# Altium PCB ЕРКФ.758725.093Д11_и1_МВВ.PcbDoc (part 2 of 3)
Units mm, origin at the board's own origin, x right, y up, seen from the top; angles counter-clockwise.
Board outline 118.8 x 103.1 mm, 2 copper layers (Top Layer, Bottom Layer), stack 1.571 mm thick; 306 components, 215 nets, 983 pads, 379 vias.
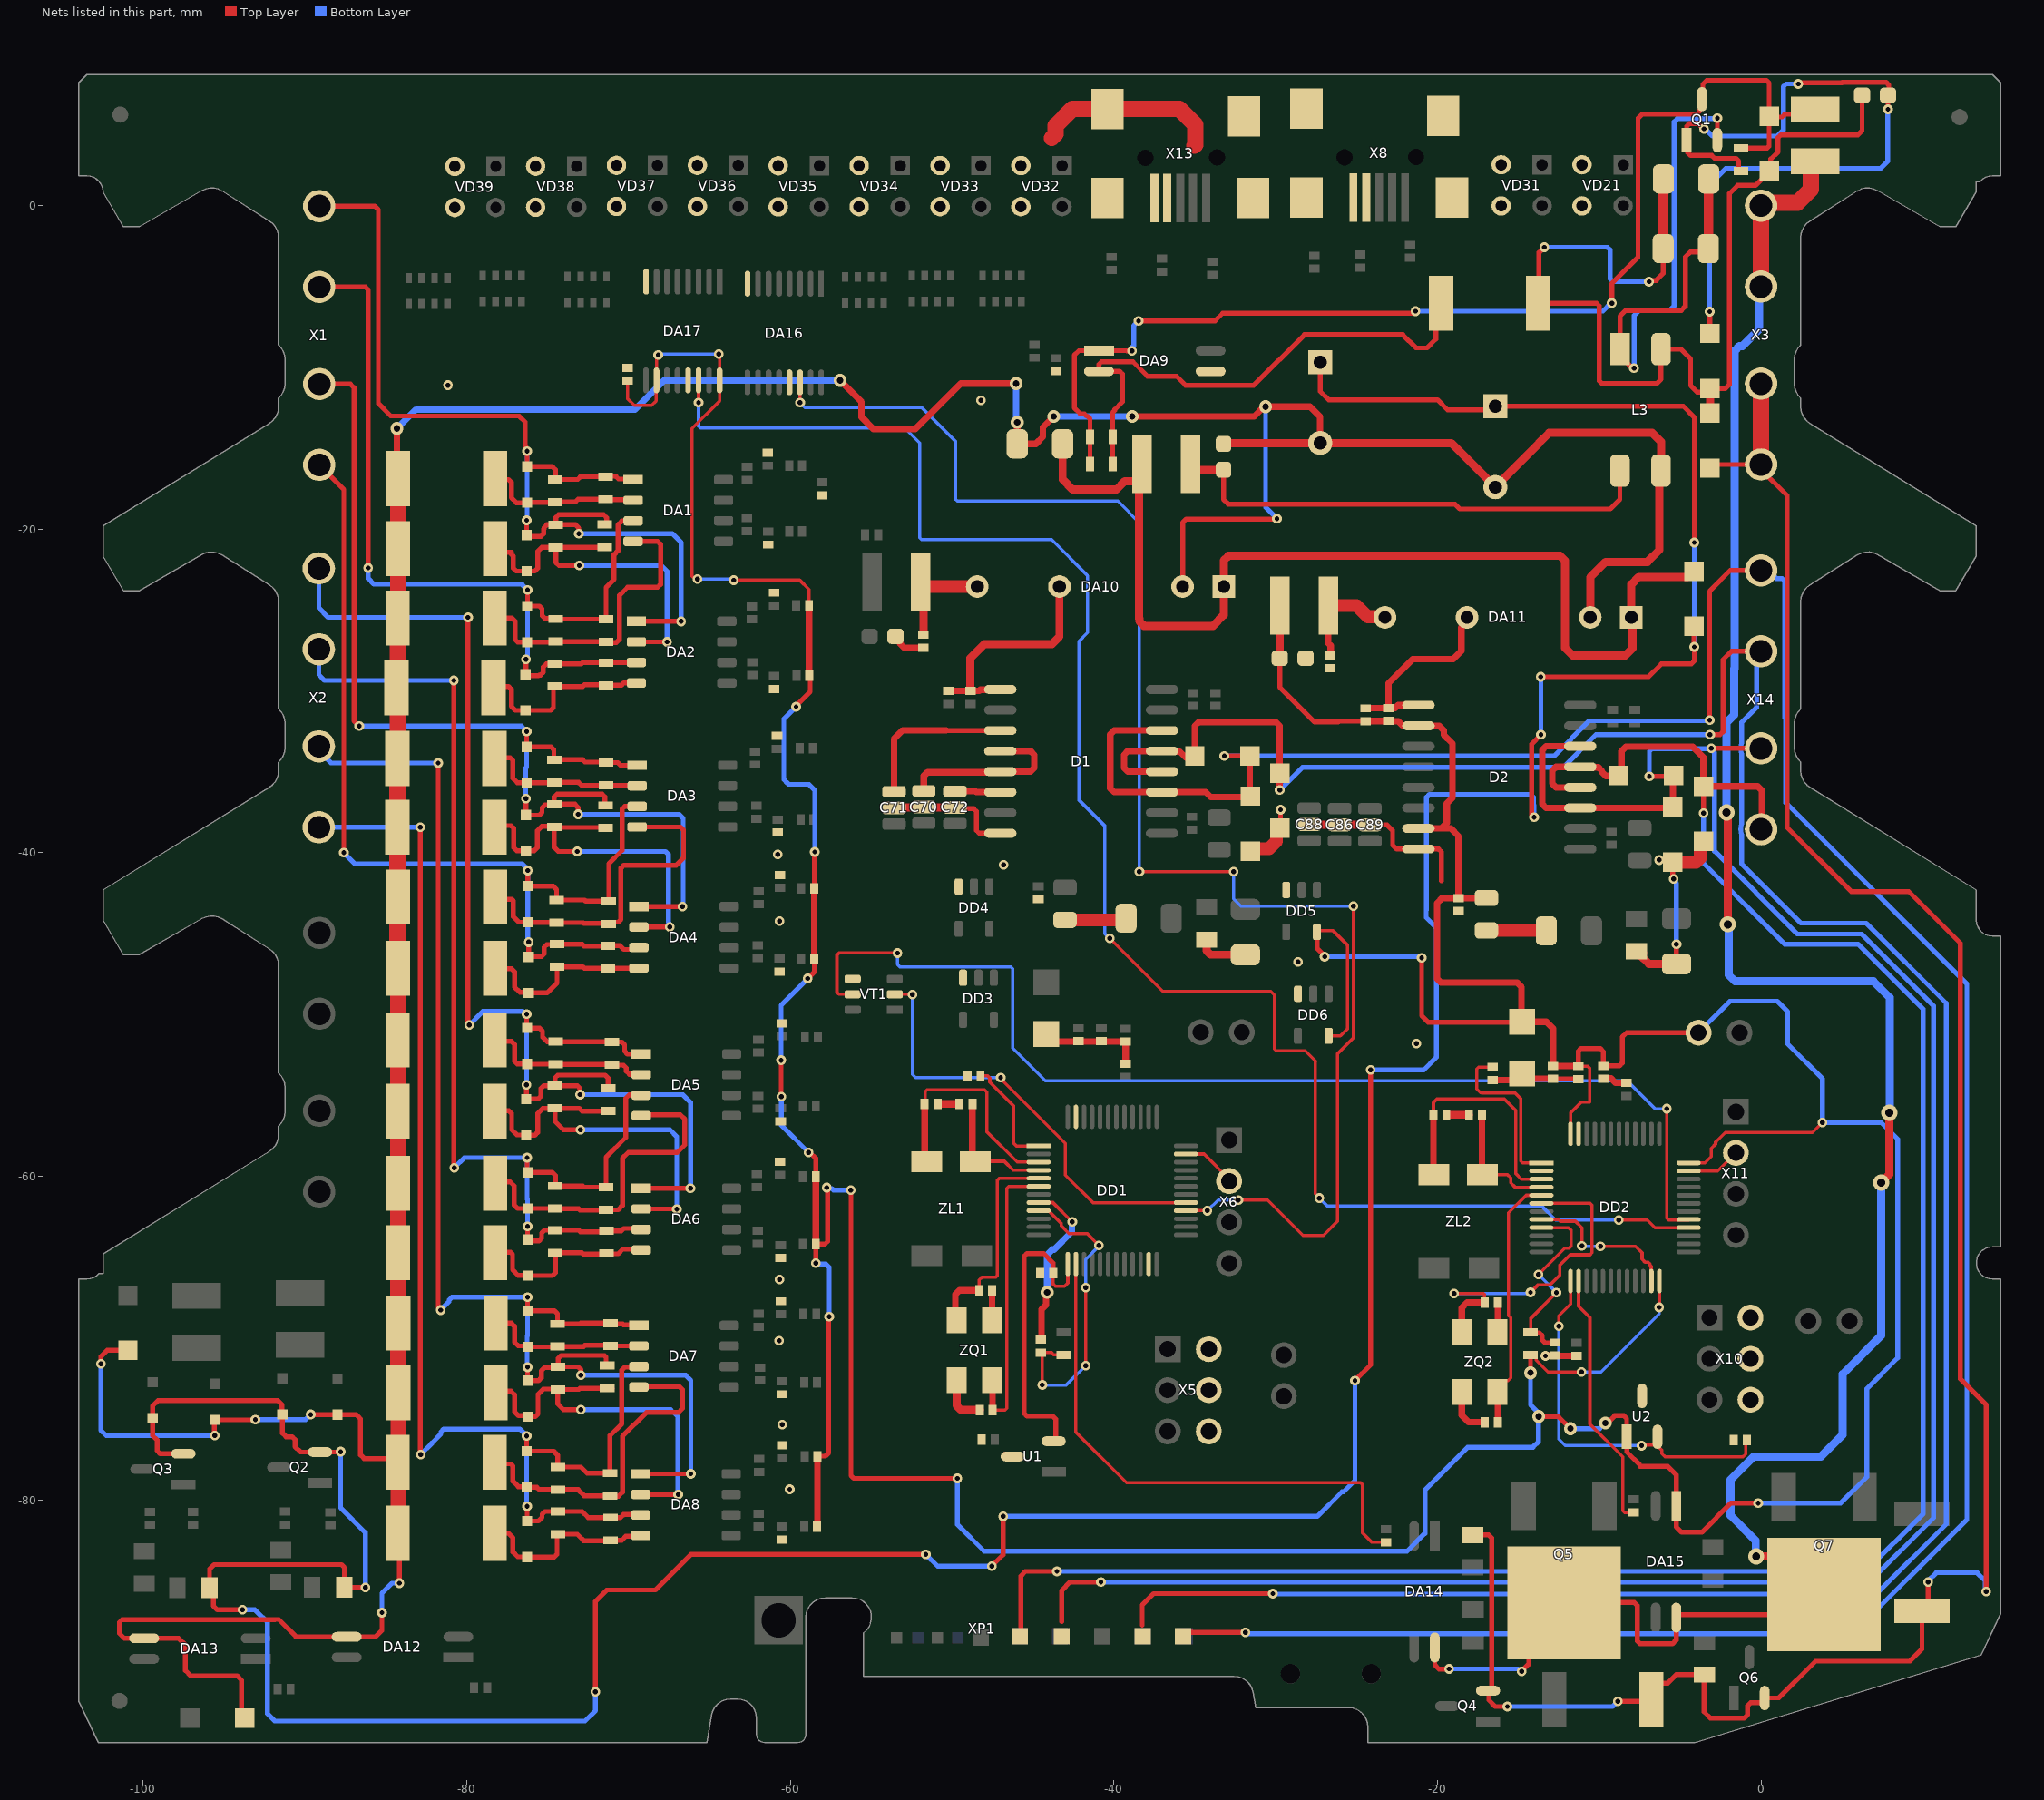
[diagram p2: the nets of this part, all layers, seen from the top]

## Via types
v1: diameter 0.6, hole 0.3, Top Layer to Bottom Layer, 361 vias
v2: diameter 0.8, hole 0.4, Top Layer to Bottom Layer, 12 vias
v3: diameter 1, hole 0.5, Top Layer to Bottom Layer, 5 vias
v4: diameter 0.4, hole 0.2, Top Layer to Bottom Layer, 1 vias

## Nets (pads, with @x,y where several pads share a name; then routed paths per layer and width w, separated by ;. In a path a pad name is that pad's centre, name@x,y a point inside that pad or via, vN(x,y) a via of type N, cw(c..) or ccw(c..) an arc to the next point about the centre after c; other vN are vias at no path point) (continued)
3v_2: C52.2 C54.1 C59.2 C65.2 C69.2 C85.2 C90.1 C91.2 C92.2 C93.2 D2.2 D2.7 DA15.1 DA17.10 DA17.16 DD2.24 DD2.36 DD2.48 DD5.5 DD6.5 L4.1 L6.2 R29.2 R30.2 R31.2 R32.2 R61.2 R62.2 R63.2 R64.2 U2.1 X9.1 | length 358.9
  Top Layer w0.2: C85.2@-70.075,-10.825 -70.075,-11.925 -69.65,-12.35 -68.575,-12.35 -68.3,-12.075 -68.3,-10.825 DA17.10@-68.275,-10.8 -68.275,-9.325 v1(-68.175,-9.225) ; v1(-65.738,-23.087) -65.888,-23.087 -66.075,-22.9 -66.075,-13.775 -64.375,-12.075 DA17.16@-64.375,-10.8 -64.375,-9.279 -64.425,-9.229 v1(-64.425,-9.175) ; v1@-63.525,-23.175 v1(-63.5,-23.15) -59.425,-23.15 -58.85,-23.725 R29.2@-58.85,-24.7 ; DD5.5@-27.475,-44.825 -26.45,-44.825 -25.575,-45.7 -25.575,-50.9 -26,-51.325 DD6.5@-26.575,-51.325 ; D2.7@-21.175,-38.5 D2.7@-21.029,-38.5 ; L4.1@-14.25,-71.05 -14.05,-71.05 -13.9,-71.2 -13.9,-71.375 -13.175,-72.1 v1(-11.1,-72.1) ; DD2.48@-11.775,-57.375 -11.775,-56.075 -11.125,-55.425 -10.625,-55.425 -10.6,-55.4 -10.6,-53.317 -10.717,-53.2 C59.2@-11.3,-53.2 ; U2.1@-8.3,-76.1 U2.1@-8.292,-76.108 ; -7.491,-77.925 -7.491,-77.834 ; v1(-6.3,-68.1) -6.275,-68.075 DD2.24@-6.275,-66.475 ; DD2.36@-4.475,-59.175 -3.475,-59.175 -3.075,-58.775 -3.075,-58.275 -2.808,-58.008 -2.808,-57.892 -2.691,-57.775 -2.675,-57.775 -2.2,-57.3 3.175,-57.3 v1(3.8,-56.675)
  Top Layer w0.3: v1(-60.575,-52.825) -60.575,-55.05 v1(-60.55,-55.075) ; v1(-59.65,-30.975) -59.65,-30.925 -58.775,-30.05 -58.775,-29.1 R30.2@-58.825,-29.05 ; v1(-58.925,-47.775) -58.525,-47.375 R32.2@-58.525,-46.55 ; v1(-58.875,-58.525) -58.8,-58.525 -58.425,-58.9 R61.2@-58.425,-60.025 ; R31.2@-58.525,-42.2 -58.525,-39.975 v1(-58.5,-39.95) ; v1(-58.425,-65.375) R62.2@-58.425,-64.2 -57.876,-64.2 -57.7,-64.024 v1@-57.7,-60.8 ; R63.2@-58.325,-77.325 -58.3,-77.3 -57.875,-77.3 -57.85,-77.275 -57.801,-77.275 -57.625,-77.099 -57.625,-68.7 v1(-57.6,-68.675) ; v1(-56.275,-60.85) -56.25,-60.875 -56.25,-78.499 -56.074,-78.675 v1(-49.675,-78.675) ; C69.2@-29.75,-27.975 -29.75,-29.775 -27.599,-31.926 -26.144,-31.926 -26.081,-31.862 C90.1@-24.438,-31.862 ; DD5.5@-27.45,-44.9 -27.45,-45.9 v1@-27.125,-46.225 ; v1(-20.975,-46.5) -20.975,-50.075 -20.575,-50.475 C52.2@-14.8,-50.475 ; v2(-14.25,-72.15) L4.1@-14.25,-71.05 ; v2(-13.75,-74.85) -12.525,-74.85 v2(-11.775,-75.6) ; C59.2@-11.3,-53.2 -11.3,-52.276 -11.124,-52.1 -9.934,-52.1 -9.75,-52.284 C65.2@-9.75,-53.175 -8.751,-53.175 -8.575,-52.999 -8.575,-51.4 -8.3,-51.125 X9.1@-3.865,-51.125 ; v2(-9.625,-75.25) -9.49,-75.25 -9.04,-74.8 -8.476,-74.8 -8.3,-74.976 U2.1@-8.3,-76.1 ; U2.1@-8.292,-76.108 -8.292,-77.033 -7.491,-77.834 ; -7.491,-77.925 -5.775,-77.925 -5.24,-78.46 DA15.1@-5.24,-80.375 -5.24,-81.665 -4.905,-82 -3.651,-82 -1.851,-80.2 v1(-0.175,-80.2)
  Top Layer w0.4: R29.2@-58.85,-24.7 -58.85,-29.025 R30.2@-58.825,-29.05 ; R32.2@-58.525,-46.55 R31.2@-58.525,-42.2 ; R62.2@-58.425,-64.2 R61.2@-58.425,-60.025 ; R64.2@-58.35,-81.65 -58.325,-81.625 R63.2@-58.325,-77.325 ; C90.1@-24.438,-31.862 -23.038,-31.862 C92.2@-23.025,-31.85 -23.001,-31.874 -22.426,-31.874 -22.179,-32.121 -21.204,-32.121 D2.2@-21.175,-32.15 -19.9,-32.15 -19.6,-32.45 -19.6,-32.725 -19.075,-33.25 -19.075,-36.6 -19.425,-36.95 -19.425,-38.15 -19.775,-38.5 ; D2.7@-21.029,-38.5 -20.867,-38.5 -19.775,-38.5 ; C93.2@-16.975,-42.8 C91.2@-18.7,-42.8 ; C59.2@-11.325,-53.175 C54.1@-12.85,-53.175 -12.85,-50.875 -13.275,-50.45 C52.2@-14.775,-50.45 -14.8,-50.475 -14.8,-48.3 -15.075,-48.025 -19.791,-48.025 -20.025,-47.791 -20.025,-43.125 -19.7,-42.8 C91.2@-18.7,-42.8 ; -19.775,-38.5 -19.175,-38.5 -18.7,-38.975 C91.2@-18.7,-42.8
  Top Layer w0.5: C69.2@-29.75,-27.975 L6.2@-29.75,-24.725
  Bottom Layer w0.2: v1(-68.175,-9.225) -68.137,-9.187 -67.995,-9.187 -67.984,-9.175 v1(-64.425,-9.175) ; v1(-65.738,-23.087) -63.563,-23.087 v1(-63.5,-23.15) ; v1(-11.1,-72.1) -9.893,-72.1 -6.3,-68.507 v1(-6.3,-68.1)
  Bottom Layer w0.3: v1(-60.575,-52.825) -60.575,-49.425 v1(-58.925,-47.775) ; v1(-60.55,-55.075) -60.55,-56.85 v1(-58.875,-58.525) ; v1(-59.65,-30.975) -60.4,-31.725 -60.4,-35.475 -60.199,-35.676 -60.1,-35.775 -58.85,-35.775 -58.5,-36.125 v1(-58.5,-39.95) ; v1(-58.425,-65.375) -58.368,-65.432 -57.793,-65.432 -57.6,-65.625 v1(-57.6,-68.675) ; v1(-57.75,-60.7) -57.693,-60.757 -57.438,-60.757 -57.345,-60.85 v1(-56.275,-60.85) ; v1(-49.675,-78.675) -49.675,-81.525 -48.025,-83.175 -21.875,-83.175 -20.775,-82.075 -20.775,-79.401 -18.124,-76.75 -14.1,-76.75 -13.75,-76.4 v2(-13.75,-74.85) ; v1(-26.975,-46.425) -21.05,-46.425 v1(-20.975,-46.5) ; v2(-14.25,-72.15) -14.25,-74.125 v2@-13.85,-74.525 ; v2(-11.775,-75.6) -9.975,-75.6 v2(-9.625,-75.25) ; X9.1@-3.865,-51.125 -1.915,-49.175 1,-49.175 1.65,-49.825 1.65,-51.825 3.8,-53.975 v1(3.8,-56.675) 7.425,-56.675 8.45,-57.7 8.45,-71.225 6.55,-73.125 6.55,-78.575 4.925,-80.2 v1(-0.175,-80.2)
24+: C48.1 C51.1 Q2.3 Q3.3 R84.2 R85.2 VD20.K VD24.K VD26.K | length 246.1
  Top Layer w0.3: Q3.3@-97.525,-77.15 -98.95,-77.15 -99.15,-76.95 -99.15,-76.3 -99.425,-76.025 VD26.K@-99.425,-74.965 -99.425,-74.2 -99.1,-73.875 -91.675,-73.875 -91.424,-74.126 -91.424,-74.691 VD24.K@-91.4,-74.715 -91.4,-75.875 -91.175,-76.1 -90.801,-76.1 -90.625,-76.276 -90.625,-76.7 -90.275,-77.05 Q2.3@-89.075,-77.05 -87.825,-77.05 v1(-87.8,-77.025) ; v1(-93.875,-86.8) -95.425,-86.8 -95.675,-86.55 -95.675,-85.65 R84.2@-95.9,-85.425 -95.9,-84.275 -95.625,-84 -87.751,-84 -87.575,-84.176 R85.2@-87.575,-85.4 -86.3,-85.4 v1(-86.275,-85.425) ; v1(-72.05,-91.875) -72.05,-86.275 -71.35,-85.575 -68.35,-85.575 -66.15,-83.375 v1(-51.625,-83.375) ; v1(-47.55,-84.1) -46.85,-83.4 v1(-46.85,-81.025) ; C51.1@-27.25,-9.675 -27.25,-11.475 -26.725,-12 -20,-12 -19.375,-12.625 -16.65,-12.625 C48.1@-16.425,-12.4 -4.8,-12.4 -4.125,-13.075 v1(-4.125,-20.825) ; v1(-25.1,-72.625) -24.125,-71.65 v1(-24.125,-53.425) ; C48.1@-16.675,-12.25 C48.1@-16.55,-12.125 ; v1(-14.025,-37.8) -14.175,-37.65 -14.175,-33.275 v1(-13.6,-32.7) ; v1(-13.625,-29.125) -6.95,-29.125 -6.15,-28.325 -4.301,-28.325 -4.125,-28.149 v1(-4.125,-27.275) -4.15,-27.25 VD20.K@-4.15,-26
  Bottom Layer w0.3: v1(-93.875,-86.8) -93.1,-86.8 -92.976,-86.924 -92.325,-87.575 -92.325,-93.225 -91.875,-93.675 -72.7,-93.675 -72.05,-93.025 v1(-72.05,-91.875) ; v1(-87.8,-77.025) -87.8,-80.5 -86.275,-82.025 v1(-86.275,-85.425) ; v1(-51.625,-83.375) -50.9,-84.1 v1(-47.55,-84.1) ; v1(-46.85,-81.025) -27.425,-81.025 -25.9,-79.5 -25.8,-79.5 -25.1,-78.8 v1(-25.1,-72.625) ; v1(-24.125,-53.425) -20.85,-53.425 -20.075,-52.65 -20.075,-44.625 -20.7,-44 -20.7,-43.55 -20.675,-43.525 -20.675,-36.576 -20.499,-36.4 -14.226,-36.4 -14.05,-36.576 -14.05,-37.05 -14.025,-37.075 v1(-14.025,-37.8) ; v1(-13.625,-29.125) -13.6,-29.15 v1(-13.6,-32.7) ; v1(-4.125,-27.275) v1(-4.125,-20.825) v1@-4.075,-20.775
24-: C48.2 C49.1 C51.2 C53.1 DA10.2 DA11.2 DA12.3 DA13.3 L3.3 R1.1 R2.1 R3.1 R4.1 R5.1 R6.1 R7.1 R8.1 R33.1 R34.1 R35.1 R36.1 R37.1 R38.1 R39.1 R40.1 VD22.A VD23.A VD25.A VD27.A | length 262.7
  Top Layer w0.3: v1(-102.625,-71.6) -102.625,-71.15 -102.225,-70.75 VD22.A@-100.95,-70.75 ; v1(-95.575,-76.025) -95.6,-76 VD27.A@-95.6,-75.055 -93.08,-75.055 v1(-93.075,-75.05) ; VD23.A@-93.725,-93.5 -93.925,-93.3 -93.925,-91.15 -94.2,-90.875 -97.075,-90.875 -97.4,-90.55 -97.4,-88.975 -97.81,-88.565 DA13.3@-99.95,-88.565 -101.16,-88.565 -101.475,-88.25 -101.475,-87.576 -101.299,-87.4 -91.875,-87.4 ; -91.874,-87.399 -91.626,-87.399 -90.56,-88.465 DA12.3@-87.425,-88.465 -85.64,-88.465 -85.25,-88.075 v1(-85.25,-86.975) ; v1(-89.65,-74.725) -89.635,-74.74 VD25.A@-88,-74.74 -86.835,-74.74 -86.701,-74.874 -86.575,-75 -86.575,-77.225 -86.35,-77.45 -84.496,-77.45 R38.1@-84.275,-77.671 ; R40.1@-84.275,-82.071 -84.175,-82.171 v1(-84.175,-85.15) ; DA10.2@-35.75,-23.55 -35.75,-19.6 -35.525,-19.375 -29.95,-19.375 v1(-29.925,-19.35) ; C48.2@-16.625,-17.25 -16.6,-17.225 C48.2@-16.525,-17.15 ; L3.3@-6.275,-16.47 L3.3@-6.18,-16.375
  Top Layer w0.4: v2(-84.325,-13.775) -84.325,-16.8 R1.1@-84.25,-16.875 ; v2(-56.925,-10.8) -55.6,-12.125 -55.6,-13.075 -54.875,-13.8 -52.275,-13.8 -49.475,-11 v2(-46.05,-11) ; v2(-45.975,-13.4) C53.1@-45.975,-14.725 -44.825,-14.725 -44.4,-14.3 -44.4,-13.7 v2(-43.725,-13.025) ; v2(-38.875,-13.025) -31.333,-13.025 -30.733,-12.425 v2(-30.625,-12.425) -27.875,-12.425 -27.25,-13.05 C51.2@-27.25,-14.675
  Top Layer w0.5: C49.1@-33.225,-14.725 -33.175,-14.675 C51.2@-27.25,-14.675 -19.15,-14.675 -16.6,-17.225 C48.2@-16.425,-17.4 -13.75,-14.725 -13.75,-14.7 -13.1,-14.05 -6.725,-14.05 -6.18,-14.595 L3.3@-6.18,-16.375 ; DA11.2@-10.555,-25.45 -10.555,-22.98 -9.6,-22.025 -7.025,-22.025 -6.275,-21.275 L3.3@-6.275,-16.47
  Top Layer w1: R40.1@-84.275,-82.071 -84.225,-82.021 R39.1@-84.225,-73.375 -84.25,-73.35 R34.1@-84.25,-60.425 R8.1@-84.25,-47.15 -84.291,-47.109 R5.1@-84.291,-34.175 -84.275,-34.159 R2.1@-84.275,-25.5 -84.25,-25.475 R3.1@-84.25,-21.2 R1.1@-84.25,-16.875
  Bottom Layer w0.3: v1(-102.625,-71.6) -102.625,-75.7 -102.3,-76.025 v1(-95.575,-76.025) ; v1(-93.075,-75.05) -89.976,-75.05 v1(-89.65,-74.725) ; v1(-85.25,-86.975) -85.25,-85.775 -84.625,-85.15 v1(-84.175,-85.15) ; v2(-30.625,-12.425) -30.625,-18.65 v1(-29.925,-19.35)
  Bottom Layer w0.4: v2(-84.325,-13.775) -83.15,-12.6 -69.6,-12.6 -67.8,-10.8 v2(-56.925,-10.8) ; v2(-46.05,-11) -46.05,-13.325 v2(-45.975,-13.4) ; v2(-43.725,-13.025) v2(-38.875,-13.025)
485_1_N: D1.12 D1.13 VD28.K VD30.K X14.2 XP1.2 | length 170.2
  Top Layer w0.3: -38.25,-87.75 -38.25,-86.5 -37.55,-85.8 v1(-30.175,-85.8) ; v1(-3.15,-32.7) -2.526,-32.7 -2.35,-32.524 -2.35,-28.075 -1.825,-27.55 X14.2@0,-27.55
  Top Layer w0.4: D1.12@-37.025,-34.985 -39.141,-34.985 -39.375,-34.751 -39.375,-33.949 -39.141,-33.715 D1.13@-37.025,-33.715 -36.996,-33.744 -35.956,-33.744 -35.95,-33.75 -35.916,-33.75 -35.566,-34.1 -35.075,-34.1 VD30.K@-35,-34.025 -35,-32.159 -34.766,-31.925 -29.984,-31.925 -29.75,-32.159 VD28.K@-29.75,-35.075 v1(-29.75,-36.125)
  Bottom Layer w0.3: v1@-30.075,-85.825 7.125,-85.825 11.45,-81.5 11.45,-49.3 6.5,-44.35 2.475,-44.35 -1.2,-40.675 -1.2,-38.9 cw(c0,-38.55) -1.2,-38.2 -1.2,-33.9 cw(c0,-33.55) -1.2,-33.2 -1.2,-31.95 -0.263,-31.013 -0.263,-27.813 X14.2@0,-27.55 ; v1(-29.75,-36.125) -28.35,-34.725 -12.225,-34.725 -10.2,-32.7 v1(-3.15,-32.7) v1@-3.05,-32.7
485_1_P: D1.11 D1.14 VD29.K VD30.A X14.1 XP1.1 | length 178.1
  Top Layer w0.3: XP1.1@-35.725,-88.425 -35.5,-88.2 v1(-31.875,-88.2) ; v1(-33.175,-34.025) VD30.A@-31.6,-34.025 ; v1(-3.175,-31.8) -3.175,-23.825 -1.9,-22.55 X14.1@0,-22.55
  Top Layer w0.4: D1.14@-37.025,-32.445 -39.991,-32.445 -40.225,-32.679 -40.225,-36.021 -39.991,-36.255 D1.11@-37.025,-36.255 -34.32,-36.255 -34.025,-36.55 -31.625,-36.55 VD29.K@-31.575,-36.5 -31.6,-36.475 VD30.A@-31.6,-34.025
  Bottom Layer w0.3: v1(-33.175,-34.025) -12.8,-34.025 -10.625,-31.85 -3.151,-31.85 -3.175,-31.826 v1(-3.175,-31.8) ; v1@-31.8,-88.275 5.675,-88.275 12.725,-81.225 12.725,-48.1 1.525,-36.9 1.525,-31.725 1.473,-31.673 1.473,-31.424 1.475,-31.422 1.475,-23.226 1.299,-23.05 0.96,-23.05 0.46,-22.55 X14.1@0,-22.55
485_2_N: D2.12 D2.13 VD40.K VD42.K X14.4 XP1.5 | length 136.4
  Top Layer w0.3: XP1.5@-45.825,-88.425 -45.75,-88.35 -45.75,-84.7 -45.475,-84.425 v1(-43.525,-84.425) ; v1(-3.55,-37.55) VD40.K@-3.55,-36.25
  Top Layer w0.4: D2.12@-11.175,-35.96 -12.666,-35.96 -12.9,-35.726 -12.9,-34.924 -12.666,-34.69 D2.13@-11.175,-34.69 -11.146,-34.719 -10.056,-34.719 -9.85,-34.924 -9.85,-35 -9.6,-35.25 -8.825,-35.25 VD42.K@-8.8,-35.225 -8.625,-35.05 -8.625,-33.725 -8.35,-33.45 -4.225,-33.45 -3.55,-34.125 VD40.K@-3.55,-35.9 ; VD40.K@-3.55,-36.25 VD40.K@-3.55,-35.9 ; X14.4@0,-38.55 0.05,-38.5 0.05,-36.15 -0.2,-35.9 VD40.K@-3.55,-35.9
  Bottom Layer w0.3: v1(-43.525,-84.425) 6.45,-84.425 10.025,-80.85 10.025,-49.675 6,-45.65 1.45,-45.65 -3.55,-40.65 v1(-3.55,-37.55)
485_2_P: D2.11 D2.14 VD41.K VD42.A X14.3 XP1.4 | length 139.1
  Top Layer w0.3: -43.225,-87.525 -43.225,-85.6 -42.7,-85.075 v1(-40.8,-85.075) ; v1(-6.9,-35.275) -5.45,-35.275 VD42.A@-5.4,-35.225 ; v1(-3.075,-33.55) X14.3@0,-33.55
  Top Layer w0.4: D2.14@-11.175,-33.42 -13.291,-33.42 -13.525,-33.654 -13.525,-36.996 -13.291,-37.23 D2.11@-11.175,-37.23 -5.505,-37.23 VD41.K@-5.45,-37.175 VD42.A@-5.45,-35.275
  Bottom Layer w0.3: v1@-40.723,-85.075 6.7,-85.075 10.675,-81.1 10.675,-49.475 6.225,-45.025 2.25,-45.025 -2.875,-39.9 -2.875,-33.831 -3.075,-33.631 v1(-3.075,-33.55) -3.1,-33.575 -6.75,-33.575 -6.9,-33.725 v1(-6.9,-35.275)
ERTH: C82.1 C97.1 R89.1 R101.1 VD28.A VD29.A VD40.A VD41.A | length 19.5
  Top Layer w0.3: VD28.A@-29.7,-38.425 v1(-29.7,-37.345) ; VD41.A@-5.45,-40.575 -5.45,-41.575 v1(-5.4,-41.625) ; C97.1@-5.225,-46.875 v1(-5.225,-45.65)
  Top Layer w0.5: R89.1@-34.275,-45.375 -34.275,-46.05 -34.025,-46.3 C82.1@-31.875,-46.3 ; R101.1@-7.45,-46.35 -6.925,-46.875 C97.1@-5.225,-46.875
  Top Layer w0.8: R89.1@-34.275,-45.375 R89.1@-34.175,-45.475 ; C82.1@-32,-46.425 C82.1@-31.875,-46.3 ; VD29.A@-31.6,-39.925 VD29.A@-31.575,-39.9 -31.434,-39.759 -30.419,-39.759 -29.95,-39.291 -29.95,-38.675 VD28.A@-29.75,-38.475 VD28.A@-29.7,-38.425 ; R101.1@-7.7,-46.1 -7.55,-46.1 R101.1@-7.45,-46.2 ; VD41.A@-5.425,-40.55 VD41.A@-5.45,-40.575 -4.019,-40.575 -3.75,-40.306 -3.75,-39.5 VD40.A@-3.55,-39.3
  Bottom Layer w0.3: v1(-5.4,-41.625) -5.4,-41.706 -5.225,-41.881 v1(-5.225,-45.65)
  other v1: -6.3,-40.45
G1: DD1.29 VT1.2 | length 27.4
  Top Layer w0.2: VT1.2@-53.55,-48.75 -52.475,-48.75 v1(-52.45,-48.775) ; v1(-47.004,-53.9) -46.934,-53.97 -46.934,-54.041 -43,-57.975 -43,-59.925 -41.275,-61.65 -35.575,-61.65 DD1.29@-35.55,-61.625
  Bottom Layer w0.2: v1(-52.45,-48.775) -52.45,-53.7 -52.25,-53.9 v1(-47.004,-53.9)
G2: DD2.29 VT1.5 | length 70.1
  Top Layer w0.2: VT1.5@-56.15,-48.75 -57.008,-48.75 -57.125,-48.633 -57.125,-46.325 -57,-46.2 v1@-53.4,-46.2 ; v1(-5.825,-55.825) -5.825,-62.583 -5.708,-62.7 -5.167,-62.7 -5.157,-62.69 -4.49,-62.69 DD2.29@-4.475,-62.675
  Bottom Layer w0.2: v1(-53.375,-46.2) -53.375,-46.9 -53.225,-47.05 -46.367,-47.05 -46.25,-47.167 -46.25,-52.082 -44.232,-54.1 -8.275,-54.1 -6.55,-55.825 v1(-5.825,-55.825)
GND: C9.1 C10.1 C11.1 C12.1 C13.1 C14.1 C15.1 C16.1 C25.1 C26.1 C27.1 C28.1 C29.1 C30.1 C31.1 C32.1 C33.1 C34.2 C35.1 C36.1 C37.1 C38.1 C39.1 C40.1 C41.2 C42.1 C43.2 C44.1 C52.1 C54.2 C55.1 C56.1 C57.1 C58.1 C59.1 C60.1 C61.2 C62.1 C63.2 C64.2 C65.1 C66.1 C67.1 C68.1 C69.1 C70.3 C71.3 C72.3 C73.2 C74.1 C75.1 C76.2 C77.1 C85.1 C86.3 C87.2 C88.3 C89.3 C90.2 C91.1 C92.1 C93.1 C94.1 D1.1 D1.8 D2.1 D2.8 DA9.3 DA10.5 DA11.5 DA16.8 DA16.13 DA17.8 DA17.13 DD1.8 DD1.23 DD1.35 DD1.47 DD2.2 DD2.8 DD2.23 DD2.35 DD2.47 DD3.3 DD4.3 DD5.3 DD6.3 R65.1 R74.1 U1.2 U2.2 VD21.2 VD21.4 VD31.2 VD31.4 VD32.2 VD32.4 VD33.2 VD33.4 VD34.2 VD34.4 VD35.2 VD35.4 VD36.2 VD36.4 VD37.2 VD37.4 VD38.2 VD38.4 VD39.2 VD39.4 VT1.4 X5.4 X5.5 X5.6 X6.2 X8.4 X8.5 X8.6 X10.4 X10.5 X10.6 X11.2 X13.4 X13.5 X13.6 ZQ1.2 ZQ1.4 ZQ2.2 ZQ2.4 | length 123.8
  Top Layer w0.2: U1.2@-46.777,-77.14 -46.592,-77.325 U1.2@-46.25,-77.325 ; DD1.8@-44.635,-61.64 DD1.8@-44.65,-61.625 -43.775,-61.625 v1(-42.575,-62.825) ; DD1.35@-35.55,-58.625 -34.425,-58.625 -32.875,-60.175 X6.2@-32.875,-60.3 ; DD2.8@-13.575,-62.675 -12.5,-62.675 -12.4,-62.775 -11.475,-62.775 -11.075,-63.175 v1(-11.075,-64.3) ; v1(-9.925,-64.325) -7.75,-64.325 -7.35,-64.725 -7.35,-65.125 -7.15,-65.325 -6.967,-65.325 -6.85,-65.442 -6.85,-65.5 -6.79,-65.56 -6.79,-66.46 DD2.23@-6.775,-66.475 ; DD2.35@-4.475,-59.675 -2.675,-59.675 X11.2@-1.55,-58.55
  Top Layer w0.3: C71.3@-53.6,-37.225 C71.3@-53.588,-37.212 ; C70.3@-51.872,-37.053 C70.3@-51.75,-37.175 ; C72.3@-49.838,-37.212 C72.3@-49.825,-37.2 -49.753,-37.272 -48.676,-37.272 -48.5,-37.448 -48.5,-38.619 -48.324,-38.795 D1.8@-47.025,-38.795 ; C77.1@-39.35,-44.15 C77.1@-39.25,-44.05 ; C69.1@-28.15,-27.975 C69.1@-28.1,-28.025 ; C88.3@-27.925,-38.25 C88.3@-27.913,-38.262 ; C90.2@-24.45,-31.075 C90.2@-24.438,-31.063 ; C89.3@-24.187,-38.262 C89.3@-24.175,-38.275 -23.125,-38.275 -23.001,-38.399 -22.775,-38.625 -22.775,-39.525 -22.525,-39.775 -21.18,-39.775 D2.8@-21.175,-39.77 -19.93,-39.77 -19.75,-39.95 -19.75,-41.725 ; C92.1@-23.038,-31.063 C92.1@-23.025,-31.05 ; C94.1@-13.3,-44.8 C94.1@-13.275,-44.825 ; C54.2@-12.85,-53.975 -12.837,-53.987 -11.337,-53.987 C59.1@-11.3,-54.025 ; C59.1@-11.3,-54 C59.1@-11.3,-54.025 ; C59.1@-11.25,-54.075 C59.1@-11.3,-54.025
  Top Layer w0.4: C68.1@-53.5,-26.625 -53.495,-26.625 -53.223,-26.897 -53.223,-27.068 -52.966,-27.325 C66.1@-51.775,-27.325 ; C73.2@-50.25,-30 C76.2@-48.875,-30 -48.325,-30 -48.25,-29.925 -47.045,-29.925 D1.1@-47.025,-29.905 ; ZQ1.4@-47.525,-68.9 C36.1@-47.525,-67.05 ; C40.1@-44.525,-70.1 -44.475,-70.05 -44.475,-68.225 -44.2,-67.95 -44.2,-67.25 v2(-44.125,-67.175) ; C33.1@-44.175,-51.2 -43.7,-51.675 C44.1@-39.275,-51.675 R65.1@-39.275,-53.05 ; C90.2@-24.438,-31.063 C92.1@-23.038,-31.063 ; D2.1@-21.175,-30.88 -22.43,-30.88 -22.6,-31.05 C92.1@-23.025,-31.05 -23.025,-29.525 -21.525,-28.025 -19.025,-28.025 -18.525,-27.525 -18.525,-26.071 -18.175,-25.721 DA11.5@-18.175,-25.45 ; ZQ2.4@-18.5,-73.325 -18.5,-74.775 -18.075,-75.2 C56.1@-17.075,-75.2 ; C64.2@-16.6,-54.05 -15.175,-54.05 C52.1@-14.775,-53.65 -14.45,-53.975 C54.2@-12.85,-53.975 ; ZQ2.2@-16.3,-69.625 -16.275,-69.6 C62.1@-16.275,-67.8 ; v1(-13.325,-71.1) -13.3,-71.075 C60.1@-12.75,-71.075 -12.725,-71.1 C57.1@-11.4,-71.1 ; C65.1@-9.75,-53.975 -9.725,-53.95 -9.275,-53.95 -9,-54.225 R74.1@-8.325,-54.225
  Top Layer w0.5: C71.3@-53.588,-37.212 C72.3@-49.838,-37.212 ; C41.2@-50.9,-55.525 C35.1@-49.55,-55.525 ; ZQ1.2@-49.725,-72.6 -49.725,-74.175 -49.45,-74.45 C42.1@-48.3,-74.45 ; C76.2@-48.875,-30 -48.875,-27.975 -48,-27.1 -43.825,-27.1 -43.37,-26.645 DA10.5@-43.37,-23.55 ; C88.3@-27.913,-38.262 C89.3@-24.187,-38.262 ; C61.2@-19.45,-56.2 C55.1@-18.05,-56.2
  Top Layer w0.8: C75.1@-43.025,-44.15 C77.1@-39.35,-44.15 ; C93.1@-16.975,-44.8 C94.1@-13.3,-44.8
  Top Layer w1: -43.85,4.175 -43.6,4.425 -43.6,4.95 -42.575,5.975 -40.3,5.975 -35.95,5.975 -34.975,5 -34.975,3.75 -35.025,3.7
  Bottom Layer w0.2: -43.8,-64.525 -43.7,-64.525 ; v1@-42.6,-62.85 v1(-42.575,-62.825) ; v1(-11.075,-64.3) -11.05,-64.325 v1(-9.925,-64.325)
  Bottom Layer w0.4: v2@-44.125,-67.125 -44.125,-64.85 -43.8,-64.525 ; -43.7,-64.525 -42.6,-63.425 v1@-42.6,-62.85
  other v1: -60.035,-79.348 -60.5,-75.35 -60.704,-70.162 -60.675,-66.375 -21.298,-51.802 -28.625,-46.75 -60.675,-44.225 -46.825,-40.75 -60.775,-40.1 -48.223,-12.027 -81.175,-11.1
H\o\n\1\: DD1.14 R83.1 | length 34.1
  Top Layer w0.2: DD1.14@-42.35,-65.425 -42.35,-75.825 -39.225,-78.95 -24.742,-78.95 -24.625,-79.067 -24.625,-82.05 -24.05,-82.625 R83.1@-23.175,-82.625
H\o\n\2\: DD2.14 R92.1 | length 16.1
  Top Layer w0.2: DD2.14@-11.275,-66.475 -11.275,-68.025 -10.575,-68.725 -10.575,-75.325 -8.55,-77.35 -8.55,-80.675 -8.425,-80.8 -7.9,-80.8 R92.1@-7.875,-80.775
IN1_1: C1.2 C3.2 DA1.1 DA2.1 R9.2 R11.2 VD1.K VD3.K X1.1 | length 63.3
  Top Layer w0.3: X1.1@-89.125,-0.025 -85.7,-0.025 -85.475,-0.25 -85.475,-12.225 -84.7,-13 -76.775,-13 -76.4,-13.375 -76.4,-14.849 -76.332,-14.917 -76.332,-15.118 v1(-76.275,-15.175) VD1.K@-76.275,-16.135 -74.715,-16.135 -74.525,-16.325 C1.2@-74.525,-16.925 -73.15,-16.925 -72.975,-16.75 R9.2@-71.425,-16.75 -71.4,-16.725 -70.8,-16.725 -70.625,-16.9 -69.764,-16.9 DA1.1@-69.719,-16.945 ; v1(-76.3,-19.45) VD3.K@-76.3,-20.36 -76.21,-20.45 -75.426,-20.45 -75.25,-20.274 -75.25,-20 -75.225,-19.975 -75.225,-19.901 -75.049,-19.725 C3.2@-74.5,-19.725 ; v1(-73.075,-20.275) -73.075,-19.925 -73.275,-19.725 C3.2@-74.5,-19.725 ; R11.2@-71.487,-19.712 -71.463,-19.712 -71.35,-19.6 -71.35,-19.3 -71.55,-19.1 -74.324,-19.1 -74.5,-19.276 C3.2@-74.5,-19.725 ; DA2.1@-69.519,-25.695 -66.755,-25.695 v1(-66.75,-25.7)
  Bottom Layer w0.3: v1(-76.3,-19.45) -76.275,-19.425 v1(-76.275,-15.175) ; v1(-73.075,-20.275) -67.3,-20.275 -66.75,-20.825 v1(-66.75,-25.7)
IN1_2: C5.2 C7.2 DA3.1 DA4.1 R13.2 R15.2 VD5.K VD7.K X1.3 | length 70.8
  Top Layer w0.3: X1.3@-89.125,-11.025 -87.2,-11.025 -86.975,-11.25 -86.975,-31.85 v1(-86.65,-32.175) ; VD7.K@-76.35,-37.66 -76.335,-37.675 -75.526,-37.675 -75.35,-37.499 -75.35,-37.226 -75.174,-37.05 -74.65,-37.05 C7.2@-74.6,-37 ; VD7.K@-76.35,-37.61 v1(-76.35,-36.65) ; v1(-76.3,-32.5) VD5.K@-76.3,-33.46 -74.801,-33.46 -74.625,-33.636 -74.625,-34.225 C5.2@-74.6,-34.25 -72.85,-34.25 -72.7,-34.4 -71.425,-34.4 R13.2@-71.4,-34.425 -70.675,-34.425 -70.5,-34.6 -69.474,-34.6 DA3.1@-69.469,-34.595 ; v1(-73.125,-37.625) -73.125,-37.2 -73.325,-37 C7.2@-74.6,-37 ; R15.2@-71.425,-37.075 -71.462,-37.037 -71.462,-36.551 -71.638,-36.375 -74.424,-36.375 -74.6,-36.551 C7.2@-74.6,-37 ; DA4.1@-69.369,-43.32 -66.68,-43.32 v1(-66.675,-43.325)